# Altium PCB SAM_E54_Xplained_Pro.PcbDoc (part 1 of 5) (continued)
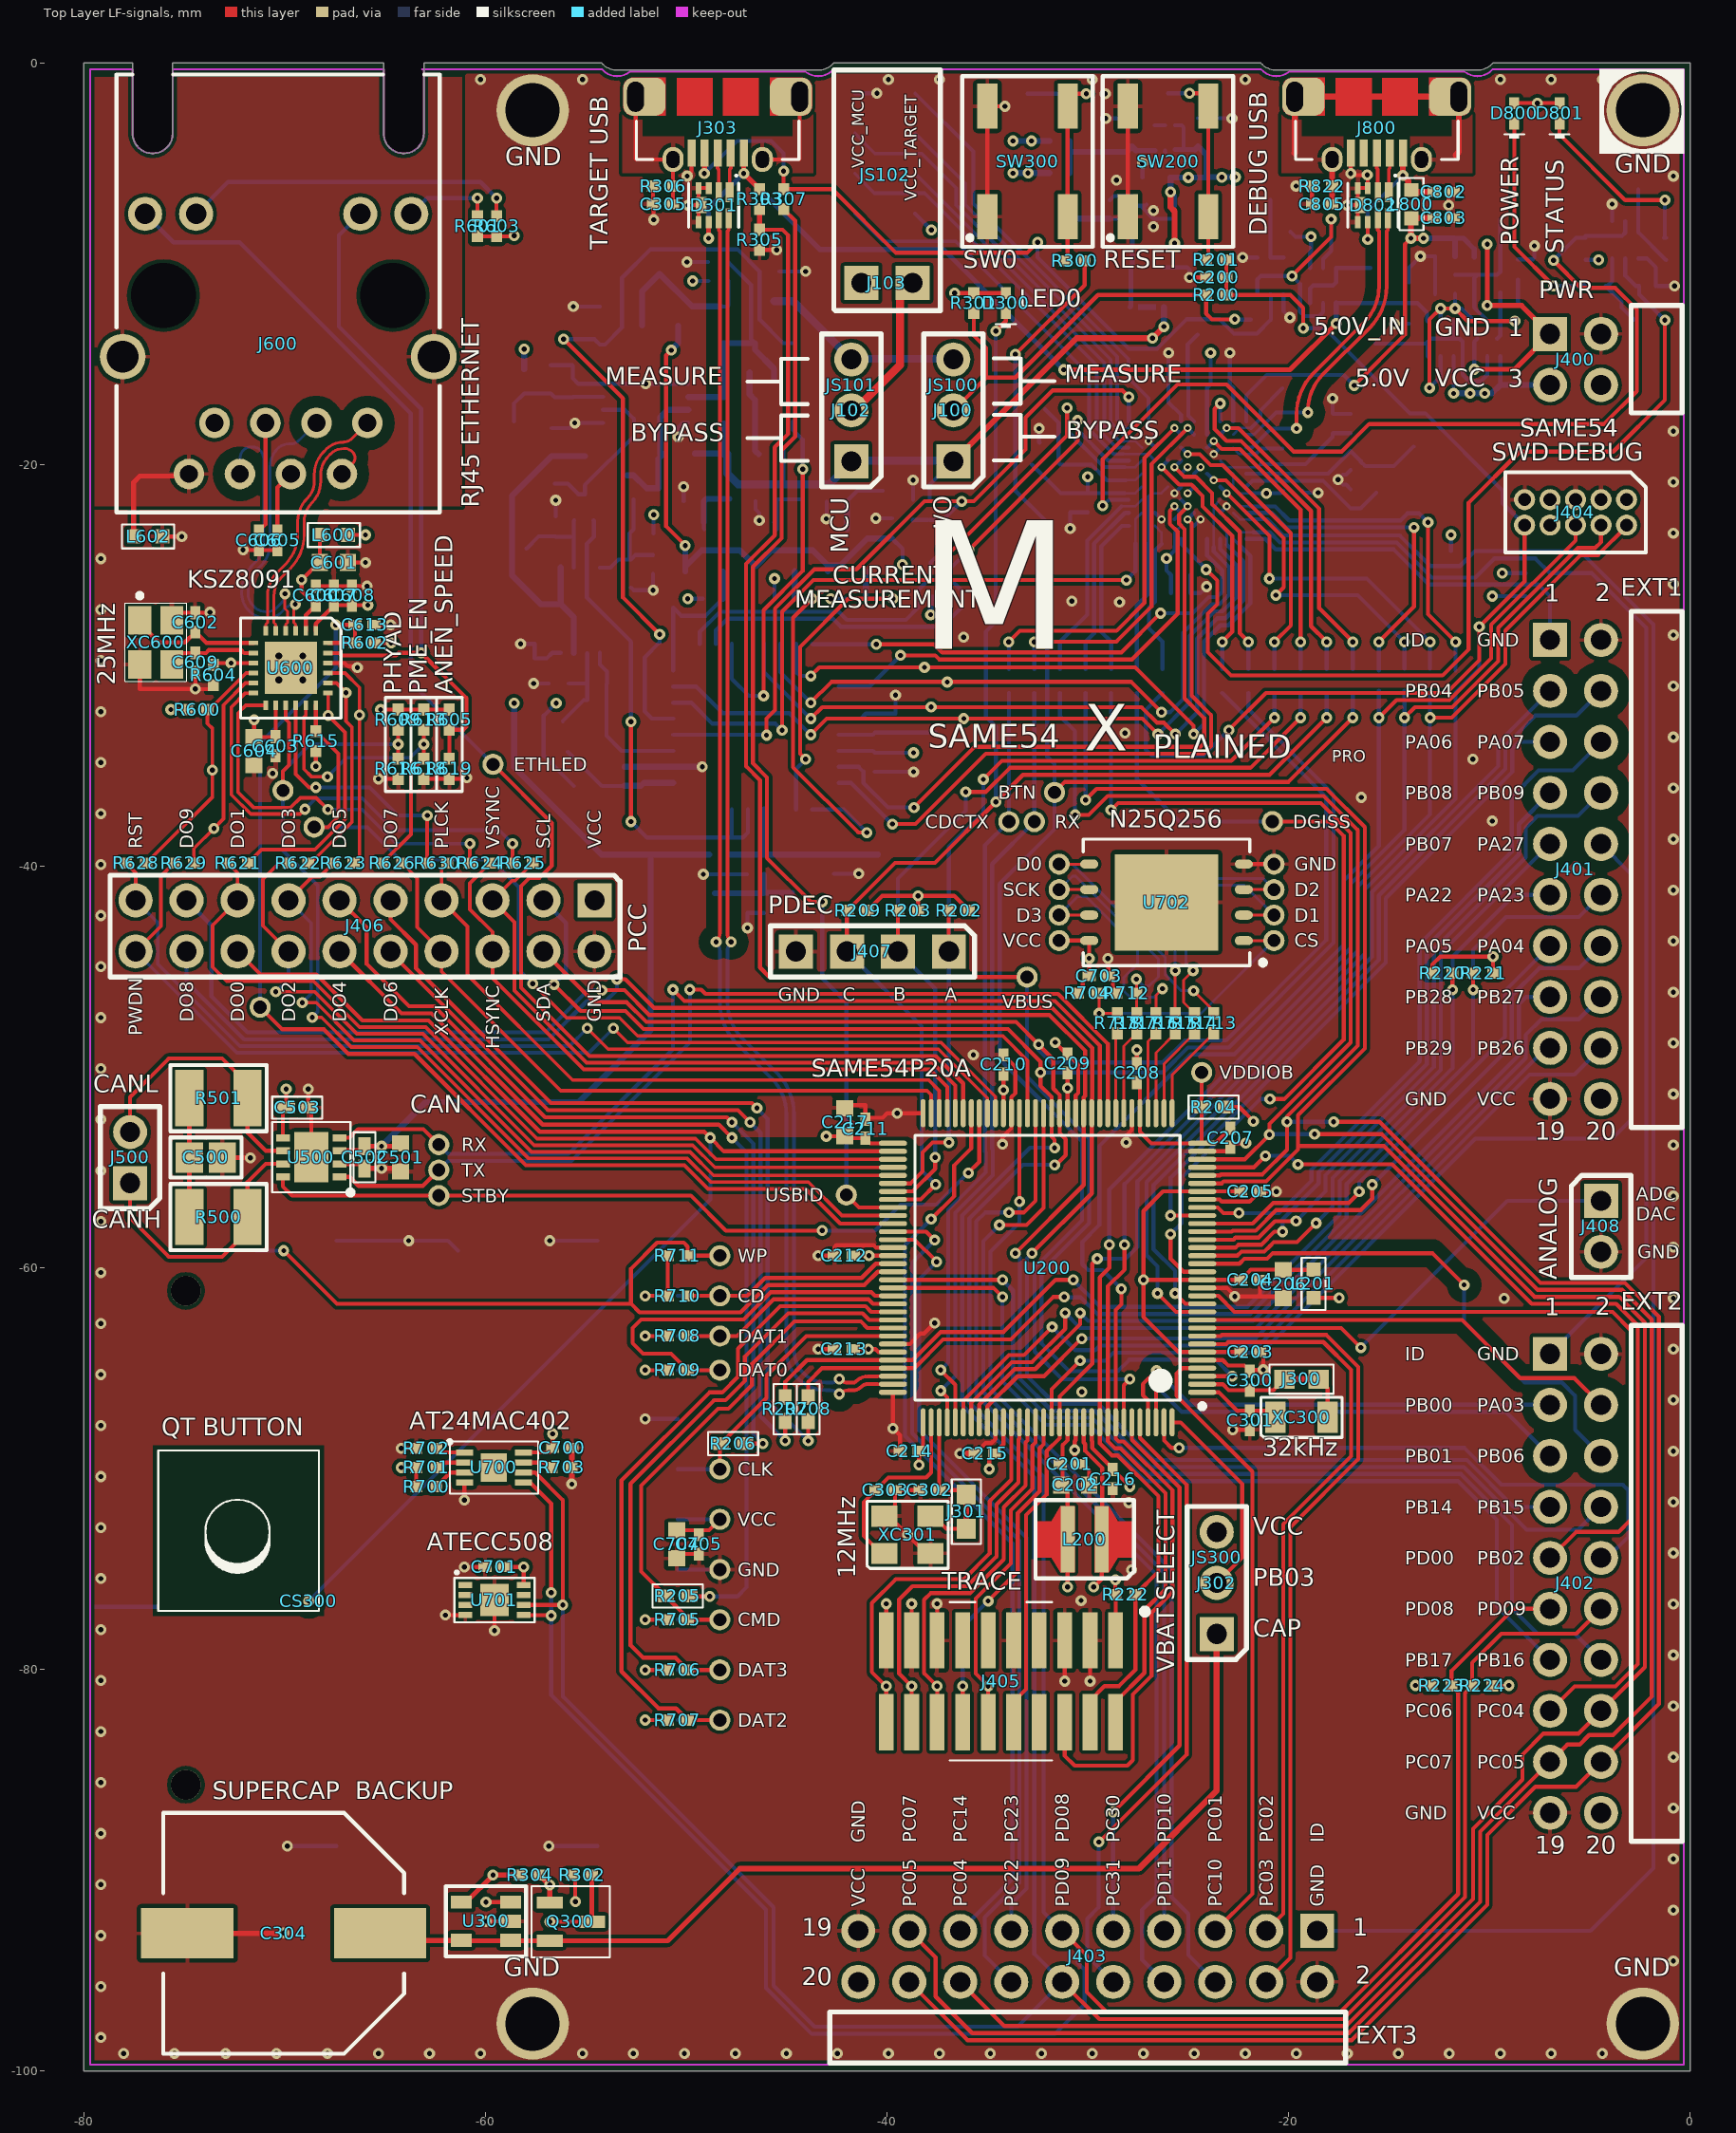
[diagram p0: Top Layer LF-signals view]
## Components (designator, comment, footprint, x,y, rotation, side; value= is the part's Value field where it differs from the comment)
C100 "" AP1-00117 -27.8,-3.45 r90 bottom value=4.7uF
C101 "" AP1-00117 -24.5,-3.45 r90 bottom value=4.7uF
C102 "" AP1-00117 -26.575,-5.7 r180 bottom value=4.7uF
C103 "" AP1-00117 -24.075,-6.375 r270 bottom value=22u/10V
C104 "" AP1-00053 -28.9,-7.3 r270 bottom value=10n
C105 "" AP1-00117 -27.025,-10.175 r0 bottom value=22u/10V
C200 "" AP1-00053 -23.6,-10.675 r180 top locked value=4.7n
C201 "" AP1-00053 -30.9,-69.775 r0 top value=100n
C202 "" AP1-00117 -30.625,-70.825 r0 top value=4.7uF
C203 "" AP1-00053 -21.9,-64.2 r0 top value=100n
C204 "" AP1-00053 -21.9,-60.6 r0 top value=100n
C205 "" AP1-00053 -21.9,-56.2 r0 top value=100n
C206 "" AP1-00117 -20.25,-60.805 r270 top value=10uF/10V
C207 "" AP1-00053 -22.9,-53.525 r270 top value=100n
C208 "" AP1-00053 -27.55,-50.3 r90 top value=100n
C209 "" AP1-00053 -31,-49.825 r90 top value=100n
C210 "" AP1-00053 -34.2,-49.875 r90 top value=100n
C211 "" AP1-00053 -41.075,-53.075 r90 top value=100n
C212 "" AP1-00053 -42.15,-59.4 r180 top value=100n
C213 "" AP1-00053 -42.15,-64.05 r180 top value=100n
C214 "" AP1-00053 -38.875,-69.125 r180 top value=100n
C215 "" AP1-00053 -35.125,-69.25 r180 top value=100n
C216 "" AP1-00053 -28.75,-70.525 r270 top value=100n
C217 "" AP1-00117 -42.1,-52.75 r90 top value=10uF/10V
C300 "" AP1-00053 -21.927,-65.625 r90 top value=6.8p
C301 "" AP1-00053 -21.925,-67.6 r270 top value=6.8p
C302 "" AP1-00053 -37.875,-71.075 r180 top value=5pF
C303 "" AP1-00053 -40.075,-71.075 r0 top value=5pF
C304 "" AP1-00122 -70.05,-93.15 r180 top locked value=47mF
C305 "" AP1-00053 -51.153,-7.025 r0 top value=4.7n
C500 "" AP1-00003 -73.925,-54.512 r0 top value=4.7uF
C501 "" AP1-00117 -64.231,-54.505 r270 top value=4.7uF
C502 "" AP1-00001 -66.025,-54.5 r270 top value=100n
C503 "" AP1-00001 -69.375,-52.025 r0 top value=100n
C600 "" AP1-00053 -68.45,-26.525 r90 top value=100n
C601 "" AP1-00117 -67.55,-24.875 r0 top value=22u/10V
C602 "" AP1-00053 -74.45,-27.855 r270 top value=12p
C603 "" AP1-00053 -70.45,-34.021 r270 top value=100n
C604 "" AP1-00117 -71.525,-34.275 r270 top value=22u/10V
C605 "" AP1-00053 -70.363,-23.775 r270 top value=100n
C606 "" AP1-00053 -71.288,-23.775 r270 top value=100n
C607 "" AP1-00053 -67.55,-26.525 r90 top value=100n
C608 "Farnell no: 1288200" AP1-00053 -66.65,-26.525 r90 top value=2.2uF
C609 "" AP1-00053 -74.45,-29.855 r90 top value=12p
C613 "" AP1-00053 -66.025,-27.975 r0 top value=100n
C700 "" AP1-00053 -56.175,-68.975 r0 top value=100n
C701 "" AP1-00053 -59.55,-74.9 r180 top value=100n
C703 "" AP1-00053 -29.45,-45.475 r0 top value=100n
C704 "" AP1-00117 -50.475,-73.776 r270 top value=10uF/10V
C705 "" AP1-00053 -49.365,-73.776 r270 top value=100n
C800 "" AP1-00053 -16.9,-21.7 r90 bottom locked value=15p
C801 "" AP1-00053 -16.9,-19.8 r270 bottom locked value=15p
C802 "" AP1-00053 -12.275,-6.425 r0 top value="1 nF C0G"
C803 "" AP1-00053 -12.275,-7.725 r0 top value="1 nF C0G"
C804 "" AP1-00053 -16.9,-17.95 r90 bottom locked value=10p
C805 "" AP1-00053 -18.325,-7.025 r0 top value=4.7n
C806 "" AP1-00053 -31.925,-18.9 r180 bottom locked value=100n
C807 "Farnell no: 1288200" AP1-00053 -25.5,-15.1 r180 bottom locked value=2.2uF
C808 "" AP1-00053 -25.5,-16 r180 bottom locked value="1 nF C0G"
C809 "Farnell no: 1288200" AP1-00053 -23.4,-15.1 r0 bottom locked value=2.2uF
C810 "" AP1-00053 -23.4,-16 r0 bottom locked value=100n
C811 "" AP1-00053 -19.8,-21.3 r0 bottom locked value=100n
C812 "" AP1-00053 -25.375,-25.5 r0 bottom locked value=100n
C813 "" AP1-00053 -30,-21.9 r270 bottom locked value=100n
C814 "Farnell no: 1288200" AP1-00053 -30.875,-21.9 r270 bottom locked value=2.2uF
C815 "Farnell no: 1288200" AP1-00053 -25.375,-26.4 r0 bottom locked value=2.2uF
C1100 "" AP1-00053 -40.6,-34.825 r270 bottom value=100n
C1101 "" AP1-00053 -40.6,-32.875 r90 bottom value=100n
C1102 "" AP1-00053 -39.575,-32.875 r90 bottom value=1u
C1103 "" AP1-00053 -39.575,-34.825 r270 bottom value=1u
C1104 "" AP1-00053 -52.25,-35.525 r90 bottom value=100n
C1105 "" AP1-00053 -53.075,-35.525 r90 bottom value=33n
C1106 "" AP1-00053 -46.975,-41.825 r270 bottom value="1 nF C0G"
C1107 "" AP1-00053 -46.975,-39.925 r270 bottom value=100n
C1200 "" AP1-00053 -51.65,-24.975 r270 bottom value=100n
C1201 "" AP1-00117 -52.75,-25.425 r270 bottom value=4.7uF
C1202 "" AP1-00053 -54.45,-31.725 r0 bottom value=150p
C1203 "" AP1-00117 -56.75,-15.875 r90 bottom value=4.7uF
C1204 "" AP1-00053 -55.65,-16.175 r90 bottom value=100n
C1206 "" AP1-00053 -55.1,-22.775 r0 bottom value=150p
CS300 "" ? -71.802,-72.72 r270 top locked
D300 "" AP4-00160 -34.075,-11.95 r90 top value=SML-P11YT
D301 "" AP4-00159 -48.634,-7.075 r180 top locked value=EMI2121MTTAG
D800 "" AP4-00160 -8.75,-2.5 r90 top locked value=SML-P11MT
D801 "" AP4-00160 -6.5,-2.5 r90 top locked value=SML-P11YT
D802 "" AP4-00159 -15.8,-7.075 r180 top locked value=EMI2121MTTAG
E1 "" AP8-00192 -9,-4.5 r180 bottom locked value=SJ-5076
E2 "" AP8-00192 -70.35,-4.5 r180 bottom locked value=SJ-5076
E3 "" AP8-00192 -9,-95.5 r180 bottom locked value=SJ-5076
E4 "" AP8-00192 -75,-95.5 r180 bottom locked value=SJ-5076
J100 "" AP8-00745 -36.696,-17.3 r90 top locked value=HMTSW-103-23-F-S-237
J101 "" AP9-00044 -27.05,-12.15 r180 bottom locked net-tie value=SMD-STRAP_0603_CLOSED
J102 "" AP8-00745 -41.776,-17.3 r90 top locked value=HMTSW-103-23-F-S-237
J103 "" AP8-00367 -40,-10.95 r0 top locked value="Pin header 1x2 right angle"
J300 "" AP9-00044 -19.35,-65.55 r180 top net-tie value=SMD-STRAP_0603_CLOSED
J301 "" AP9-00044 -36.05,-72.15 r90 top net-tie value=SMD-STRAP_0603_CLOSED
J302 "" AP8-00745 -23.575,-75.7 r90 top locked value=HMTSW-103-23-F-S-237
J303 "" AP8-00852 -48.434,-1.675 r180 top locked value=ZX62D-AB-5P8
J400 "" AP8-00628 -5.7,-14.76 r270 top locked value=P101-2*02RGF-139-ND
J401 "" AP8-00622 -5.7,-40.16 r270 top locked value=P101-2*10RGF-139-ND
J402 "" AP8-00622 -5.7,-75.72 r270 top locked value=P101-2*10RGF-139-ND
J403 "" AP8-00622 -30,-94.3 r180 top locked value=P101-2*10RGF-139-ND
J404 "" AP8-00257 -5.7,-22.375 r180 top locked value="PIN HEADER 2x5"
J405 "" AP8-00910 -34.325,-80.6 r270 top locked value=FTSH-110-01-F-DV-007-K
J406 "" AP8-00744 -66,-42.975 r180 top locked value=HMTSW-110-23-F-D-237
J407 "" AP8-00176 -40.725,-44.245 r180 top locked value=HMTSW-104-23-F-S-237
J408 "" AP8-00733 -4.43,-57.94 r270 top locked value=HMTSW-102-23-F-S-237
J500 "" AP8-00733 -77.7,-54.512 r90 top locked value=HMTSW-102-23-F-S-237
J600 "" AP8-01033 -70.325,-11.575 r180 top locked value=HFJ11-2450E-L12RL
J700 "" AP8-00377 -60.925,-73.725 r270 bottom locked value="KYOCERA - 14 5738 009 220 859+"
J800 "" AP8-00852 -15.6,-1.675 r180 top locked value=ZX62D-AB-5P8
JS100 "" AP8-00525 -36.696,-16.03 r90 top value=SNT-100-BK-G
JS101 "" AP8-00525 -41.776,-16.03 r90 top value=SNT-100-BK-G
JS102 "" AP8-00525 -40.1,-5.575 r0 top locked value=SNT-100-BK-G
JS300 "" AP8-00525 -23.575,-74.43 r90 top value=SNT-100-BK-G
L200 "" AP3-00115 -30.15,-73.525 r180 top value=LQH3NPN100MJ0
L201 "" AP3-00005 -18.75,-60.8 r90 top value=BLM18PG471SN1
L600 "" AP3-00005 -67.55,-23.5 r180 top value=BLM18PG471SN1
L602 "" AP3-00005 -76.801,-23.575 r180 top value=BLM18PG471SN1
L800 "" AP3-00005 -13.875,-7.025 r270 top value=BLM18PG471SN1
L801 "" AP3-00005 -32.075,-20 r0 bottom locked value=BLM18PG471SN1
L1100 "" AP3-00005 -54.9,-36 r0 bottom value=BLM18PG471SN1
L1200 "" AP3-00028 -52.225,-23.425 r180 bottom value=BLM15BB221SN1
L1201 "" AP3-00028 -58.075,-15.85 r270 bottom value=BLM15BB221SN1
LABEL1 "*" AP8-00317 -11.883,-88.93 r180 bottom value="Label PCBA"
Q100 "" AP5-00047 -10.096,-13.725 r0 bottom value=DMP2160UFDB
Q101 "" AP5-00047 -10.096,-10.55 r0 bottom value=DMP2160UFDB
Q102 "" AP5-00047 -12.425,-13.725 r0 bottom value=DMP2160UFDB
Q103 "" AP5-00047 -18.275,-11.075 r180 bottom value=DMP2160UFDB
Q104 "" AP5-00001 -20.894,-10.604 r270 bottom locked value=2N7002DW
Q300 "" AP5-00002 -55.75,-92.575 r0 top locked value=IRLML6402
Q800 "" AP5-00001 -3.225,-8.8 r270 bottom locked value=2N7002DW
Q900 "" AP5-00002 -45.625,-12.9 r90 bottom value=PMV48XP
Q901 "" AP5-00002 -53.25,-13.075 r0 bottom value=BSS138N
Q902 "" AP5-00002 -49.35,-13.075 r180 bottom value=BSH201
Q1000 "" AP5-00002 -42,-24.25 r90 bottom value=BSH201
Q1001 "" AP5-00002 -45.55,-24.25 r90 bottom value=BSH201
Q1002 "" AP5-00002 -49.1,-24.25 r90 bottom value=BSH201
Q1200 "" AP5-00002 -45.625,-16.8 r90 bottom value=IRLML6402
Q1201 "" AP5-00002 -54,-20.525 r0 bottom value=BSS138N
R100 "" AP2-00011 -8.575,-10.275 r270 bottom value=100k
R101 "" AP2-00011 -31.4,-3.879 r0 bottom value=0R
R102 "" AP2-00011 -12.2,-11.5 r0 bottom value=100k
R103 "" AP2-00011 -31.4,-5.475 r0 bottom value=0R
R104 "" AP2-00011 -12.2,-10.55 r180 bottom value=100k
R105 "" AP2-00011 -14,-13.475 r270 bottom value=100k
R106 "" AP2-00011 -12.2,-9.625 r0 bottom value=100k
R107 "" AP2-00011 -14,-11.425 r270 bottom value=100k
R108 "" AP2-00011 -18.375,-9.35 r180 bottom value=100k
R109 "" AP2-00011 -20.4,-8.401 r0 bottom value=100k
R110 "" AP2-00011 -21.375,-12.775 r180 bottom value=47k
R111 "" AP2-00011 -37.875,-22.25 r90 bottom value=47k
R112 "" AP2-00011 -38.7,-22.25 r270 bottom value=47k
R200 "" AP2-00011 -23.6,-11.55 r180 top value=100k
R201 "" AP2-00011 -23.6,-9.8 r0 top locked value=39R
R202 "" AP2-00011 -36.425,-42.2 r0 top value=10k
R203 "" AP2-00011 -38.95,-42.2 r180 top value=10k
R204 "" AP2-00000 -23.725,-52 r180 top value=0R
R205 "" AP2-00000 -50.425,-76.35 r0 top value=0R
R206 "" AP2-00000 -47.667,-68.756 r0 top value=0R
R207 "" AP2-00000 -45.075,-67.04 r270 top value=0R
R208 "" AP2-00000 -43.925,-67.04 r270 top value=0R
R209 "" AP2-00011 -41.465,-42.2 r180 top value=10k
R220 "" AP2-00011 -12.331,-45.325 r180 top value=2k
R221 "" AP2-00011 -10.306,-45.325 r0 top value=2k
R222 "" AP2-00011 -28.125,-76.276 r180 top value=1k
R223 "" AP2-00011 -12.375,-80.825 r180 top value=3.9k
R224 "" AP2-00011 -10.35,-80.825 r0 top value=3.9k
R300 "" AP2-00011 -30.65,-9.85 r0 top value=39R
R301 "" AP2-00011 -35.675,-11.95 r270 top value=1k
R302 "" AP2-00011 -55.2,-90.25 r0 top value=220R
R303 "" AP2-00011 -46.35,-6.775 r90 top value=30k
R304 "" AP2-00011 -57.8,-90.25 r0 top value=1k
R305 "" AP2-00011 -46.35,-8.8 r90 top value=47k
R306 "" AP2-00011 -51.153,-6.125 r0 top value=1M
R307 "" AP2-00011 -45.15,-6.775 r270 top value=330R
R308 "" AP2-00011 -48.8,-54.875 r90 bottom locked value=10k
R500 "" AP2-00008 -73.3,-57.475 r0 top value=62R
R501 "" AP2-00008 -73.3,-51.55 r180 top value=62R
R600 "" AP2-00011 -74.35,-32.2 r180 top value=1k
R601 "" AP2-00011 -60.4,-8.125 r270 top value=220R
R602 "" AP2-00011 -66.025,-28.875 r0 top value=100k
R603 "" AP2-00011 -59.45,-8.125 r270 top value=220R
R604 "" AP2-00011 -73.557,-30.48 r90 top value=6.49K
R605 "" AP2-00011 -61.8,-32.7 r90 top value=4.7k
R609 "" AP2-00011 -64.35,-32.7 r90 top value=4.7k
R613 "" AP2-00011 -63.075,-32.7 r90 top value=4.7k
R615 "" AP2-00011 -68.45,-33.771 r270 top value=1k
R616 "" AP2-00011 -64.35,-35.15 r90 top value=1k
R618 "" AP2-00011 -63.075,-35.15 r90 top value=1k
R619 "" AP2-00011 -61.8,-35.15 r90 top value=1k
R621 "" AP2-00011 -72.325,-39.85 r180 top value=0R
R622 "" AP2-00011 -69.325,-39.85 r180 top value=0R
R623 "" AP2-00011 -67.075,-39.85 r180 top value=0R
R624 "" AP2-00011 -60.275,-39.85 r0 top value=0R
R625 "" AP2-00011 -58.15,-39.85 r0 top value=0R
R626 "" AP2-00011 -64.65,-39.85 r0 top value=0R
R628 "" AP2-00011 -77.4,-39.85 r180 top value=0R
R629 "" AP2-00011 -75.025,-39.85 r180 top value=0R
R630 "" AP2-00011 -62.4,-39.85 r0 top value=0R
R700 "" AP2-00011 -62.95,-70.9 r180 top value=10k
R701 "" AP2-00011 -62.95,-69.95 r180 top value=10k
R702 "" AP2-00011 -62.95,-69 r180 top value=10k
R703 "" AP2-00011 -56.201,-69.95 r180 top value=10k
R704 "" AP2-00011 -30,-46.326 r180 top value=100k
R705 "" AP2-00011 -50.425,-77.53 r180 top value=10k
R706 "" AP2-00011 -50.425,-80.03 r180 top value=100k
R707 "" AP2-00011 -50.425,-82.53 r180 top value=100k
R708 "" AP2-00011 -50.425,-63.4 r180 top value=100k
R709 "" AP2-00011 -50.425,-65.1 r180 top value=100k
R710 "" AP2-00011 -50.425,-61.4 r180 top value=10k
R711 "" AP2-00011 -50.425,-59.4 r180 top value=10k
R712 "" AP2-00011 -28.075,-46.326 r0 top value=100k
R713 "" AP2-00011 -23.72,-47.825 r270 top value=33R
R714 "" AP2-00011 -24.68,-47.825 r270 top value=33R
R715 "" AP2-00011 -25.64,-47.825 r270 top value=33R
R716 "" AP2-00011 -26.6,-47.825 r270 top value=33R
R717 "" AP2-00011 -27.56,-47.825 r270 top value=33R
R718 "" AP2-00011 -28.52,-47.825 r270 top value=33R
R800 "" AP2-00000 -7.575,-26.55 r180 bottom value=1k
R801 "" AP2-00000 -7.575,-25.4 r180 bottom value=1k
R802 "" AP2-00000 -11.674,-30.75 r270 bottom value=39R
R803 "" AP2-00000 -14.225,-30.75 r90 bottom value=0R
R804 "" AP2-00011 -5.2,-9.2 r270 bottom locked value=1M
R805 "" AP2-00011 -4.7,-11.1 r180 bottom locked value=1k
R806 "" AP2-00011 -1.2,-9.2 r90 bottom locked value=1k
R807 "" AP2-00011 -2.2,-11.1 r180 bottom locked value=1M
R808 "" AP2-00000 -33.93,-30.775 r270 bottom value=0R
R809 "" AP2-00000 -32.655,-30.775 r90 bottom value=330R
R810 "" AP2-00000 -20.7,-30.775 r90 bottom value=330R
R811 "" AP2-00000 -19.4,-30.775 r90 bottom value=330R
R812 "" AP2-00000 -26.28,-30.775 r90 bottom value=0R
R813 "" AP2-00000 -23.3,-30.775 r270 bottom value=0R
R814 "" AP2-00000 -22,-30.775 r270 bottom value=0R
R815 "" AP2-00000 -28.83,-30.775 r270 bottom value=330R
R816 "" AP2-00000 -30.105,-30.775 r90 bottom value=0R
R817 "" AP2-00000 -31.38,-30.775 r90 bottom value=0R
R818 "" AP2-00000 -27.555,-30.775 r90 bottom value=0R
R819 "" AP2-00011 -20.3,-16.7 r90 bottom locked value=39R
R820 "" AP2-00011 -20.3,-18.7 r270 bottom locked value=39R
R821 "" AP2-00011 -17.8,-17.95 r270 bottom locked value=6.81k
R822 "" AP2-00011 -18.325,-6.125 r0 top value=1M
R823 "" AP2-00000 -11.303,-24.3 r180 bottom value=1k
R824 "" AP2-00000 -12.95,-30.75 r90 bottom value=0R
R825 "" AP2-00000 -18.1,-30.775 r90 bottom value=330R
R826 "" AP2-00000 -16.8,-30.775 r90 bottom value=330R
R827 "" AP2-00000 -15.5,-30.75 r90 bottom value=0R
R900 "" AP2-00011 -48.412,-9.908 r0 bottom value=4.7M
R901 "" AP2-00011 -45.85,-10.375 r180 bottom value=100k
R902 "" AP2-00011 -48.4,-10.85 r180 bottom value=100k
R1000 "" AP2-00011 -48.675,-26.675 r180 bottom value=100k
R1001 "" AP2-00011 -45.1,-26.675 r180 bottom value=100k
R1002 "" AP2-00011 -41.55,-26.675 r180 bottom value=100k
R1003 "" AP2-00011 -42.5,-21.825 r0 bottom value=39R
R1004 "" AP2-00011 -46.05,-21.825 r0 bottom value=2.2k
R1005 "" AP2-00011 -49.625,-21.825 r0 bottom value=47k
R1006 "" AP2-00011 -39.75,-23.175 r270 bottom value=4.7M
R1102 "" AP2-00011 -37.825,-26.128 r270 bottom value=4.7k
R1103 "" AP2-00011 -36.925,-26.128 r270 bottom value=4.7k
R1104 "" AP2-00011 -48.35,-39.425 r180 bottom value=2k
R1105 "" AP2-00011 -46.125,-39.925 r90 bottom value=33k
R1106 "" AP2-00011 -46.125,-41.825 r90 bottom value=39k
R1200 "" AP2-00076 -47.25,-19.475 r0 bottom value=0.1R
R1201 "" AP2-00011 -44.7,-19.3 r0 bottom value=100k
R1202 "" AP2-00076 -48.125,-17.325 r90 bottom value=100R
R1203 "" AP2-00011 -54.45,-30.9 r0 bottom value=10k
R1204 "" AP2-00076 -50.45,-19.475 r0 bottom value=100R
R1205 "" AP2-00011 -56.35,-30.9 r0 bottom value=680R
R1207 "" AP2-00011 -56.7,-18.875 r270 bottom value=2k
R1208 "" AP2-00011 -55.1,-23.6 r0 bottom value=10k
R1209 "" AP2-00011 -56.5,-23.075 r270 bottom value=10k
SW200 "" AP8-00137 -26,-4.9 r90 top locked value=SKRAAKE010
SW300 "" AP8-00137 -33,-4.9 r90 top locked value=SKRAAKE010
TP200 "" AP8-00010 -26,-1.5 r270 bottom locked value=TESTPAD
TP300 "" AP8-00010 -33,-1.5 r90 bottom locked value=TESTPAD
TP800 "" AP8-00010 -41.6,-1.5 r270 bottom locked value=TESTPAD
TP801 "" AP8-00010 -38.6,-1.5 r270 bottom locked value=TESTPAD
TP802 "" AP8-00010 -41.6,-3.5 r270 bottom locked value=TESTPAD
TP803 "" AP8-00010 -41.6,-5.5 r270 bottom locked value=TESTPAD
TP804 "" AP8-00010 -38.6,-5.5 r270 bottom locked value=TESTPAD
TP805 "" AP8-00010 -41.6,-7.5 r270 bottom locked value=TESTPAD
TP806 "" AP8-00010 -38.6,-3.5 r270 bottom locked value=TESTPAD
TP807 "" AP8-00010 -38.6,-7.5 r270 bottom locked value=TESTPAD
U100 "" AP6-00262 -26.15,-3.725 r90 bottom value=TLV70033DSE
U101 "" AP6-00162 -26.725,-7.75 r0 bottom locked value=TPS73533DRV
U200 "" AP6-00477 -32,-60 r180 top locked value=ATSAME54P20A
U300 "" AP6-00087 -59.975,-92.55 r180 top locked value=BU7265SG-TR
U500 "" AP6-00407 -68.675,-54.5 r180 top value=ATA6561-GBQW
U600 "" AP6-00348 -69.7,-30.13 r270 top locked value=KSZ8091RNACA
U700 "" AP6-00186 -59.575,-69.95 r0 top value=AT24MAC402-MAHM-T
U701 "" AP6-00409 -59.55,-76.55 r0 top value="ATECC508A I2C UDFN"
U702 "" AP6-00478 -26.075,-41.8 r180 top locked value=N25Q256A13EF840
U800 "" AP6-00206 -25.025,-20.775 r90 bottom locked value=AT32UC3A4256J-C1UR
U1100 "" AP6-00061 -46.524,-33.051 r90 bottom locked value=SAMD20E17A-AUT
U1101 "" AP5-00002 -43.685,-40.375 r0 bottom value=LM4041CEM3-ADJ/NOPB
U1200 "" AP6-00100 -55.275,-27.25 r90 bottom value=AD8656
U1201 "" AP6-00100 -52.025,-16.95 r180 bottom value=ADA4528-1
XC300 "" AP7-00090 -19.35,-67.45 r0 top value=32.768kHz
XC301 "" AP7-00089 -38.975,-73.3 r0 top value=12.00MHz
XC600 "" AP7-00061 -76.425,-28.855 r270 top locked value=25.00MHz
XC800 "" AP7-00089 -14.7,-20.25 r90 bottom locked value=12.00MHz

## Footprints (in the part's own frame and the unit in brackets; to place one, negate y for a bottom-side part, rotate by r counter-clockwise, add the part's x,y. Pads: shape width x height; smd on the part's side, far side on the other; paste and mask are expansions set on the pad)
AP1-00001 [mm] "Standard 0402 SMD capacitor footprint"
  rect 0.9x0.6 smd: 1(-0.55,0) 2(0.55,0)
  silkscreen extent -1.25,-0.55 1.25,0.55, body extent -0.5,-0.3 0.5,0.3, height 0.2
AP1-00003 [mm]
  rect 1.35x1.5 smd: 1(-0.825,0) 2(0.825,0)
  silkscreen extent -1.78,-1 1.78,1, body extent -1,-0.63 1,0.63, height 0.78
AP1-00053 [mm] "Chip Capacitor, 2-Leads, Body 1.0x0.5mm, IPC High Density"
  rect 0.65x0.5 smd: 1(-0.475,0) 2(0.475,0)
  body extent -0.5,-0.3 0.5,0.3, height 0.2
AP1-00117 [mm] "Chip Capacitor, 2-Leads, Body 1,60x0,80mm, IPC High Density"
  rect 0.8x0.85 smd: 1(-0.7,0) 2(0.7,0)
  body extent -0.8,-0.4 0.8,0.4, height 0.3
AP1-00122 [mm]
  rect 4.6x2.5 smd: 1(-4.8,0) 2(4.8,0)
  silkscreen extent -6,-6 6,6, body extent -5.4,-5.4 5.4,5.4, height 6.9
AP2-00000 [mm] "Standard 0402 SMD resistor footprint"
  rect 0.8x0.65 smd: 1(-0.6,0) 2(0.6,0)
  silkscreen extent -1.25,-0.58 1.25,0.58, body extent -0.5,-0.3 0.5,0.3, height 0.2
AP2-00008 [mm]
  rect 1.4x2.8 smd: 1(-1.45,0) 2(1.45,0)
  silkscreen extent -2.4,-1.65 2.4,1.65, body extent -1.6,-1.25 1.6,1.25, height 0.55
AP2-00011 [mm] "Chip Resistor, 2-Leads, Body 1,0x0,5mm, IPC High Density"
  rect 0.6x0.55 smd: 1(-0.5,0) 2(0.5,0)
  body extent -0.5,-0.3 0.5,0.3, height 0.2
AP2-00076 [mm] "Chip Resistor, 2-Leads, Body 1,60x0,80mm, IPC High Density"
  rect 0.8x0.85 smd: 1(-0.7,0) 2(0.7,0)
  body extent -0.8,-0.4 0.8,0.4, height 0.3
AP3-00005 [mm]
  rect 0.7x0.7 smd: 1(-0.7,0) 2(0.7,0)
  silkscreen extent -1.3,-0.6 1.3,0.6, body extent -0.83,-0.41 0.82,0.41, height 0.8
AP3-00028 [mm] "0402 SMD EMI inductor footprint, Murata"
  rect 0.8x0.65 smd: 1(-0.6,0) 2(0.6,0)
  silkscreen extent -1.25,-0.58 1.25,0.58, body extent -0.58,-0.3 0.58,0.3, height 0.41
AP3-00115 [mm] "SMD Chip Inductor LQH3NPN_J0 Series (1212 Size)"
  rect 0.7x3.3 smd: 1(-0.85,0) 2(0.85,0)
  Top Layer LF-signals region: 1.625,-0.9 2.35,-0.9 2.35,0.9 1.625,0.9
  Top Layer LF-signals region: -1.625,0.9 -2.35,0.9 -2.35,-0.9 -1.625,-0.9
  Top Layer LF-signals region: 0.5,-1.65 1.2,-1.65 1.65,-0.9 1.65,0.9 1.2,1.65 0.5,1.65
  Top Layer LF-signals region: -0.5,1.65 -1.2,1.65 -1.65,0.9 -1.65,-0.9 -1.2,-1.65 -0.5,-1.65
  silkscreen extent -2.45,-1.95 2.45,1.95, body extent -1.5,-1.5 1.5,1.5, height 1.1
AP4-00159 [mm] "WDFN8, 2.2x2, 0.5P  CASE 511BN  ISSUE A"
  rect 0.4x1 smd: 1(-0.8,-0.65)
  rect 0.3x1 smd: 2(-0.25,-0.65) 7(-0.25,0.65) 8(-0.75,0.65)
  rect 0.3x0.6 smd: 3(0.25,-0.85) 4(0.75,-0.85) 5(0.75,0.85) 6(0.25,0.85)
  rect 0.54x0.8 smd mask+0.1: 9(0.63,0)
  silkscreen extent -1.25,-1.52 1.25,1.1, body extent -1.1,-1 1.1,1, height 0.8
AP4-00160 [mm] "ROHM SML-P11 0402 LED"
  rect 0.6x0.5 smd: 1(-0.5,0) 2(0.5,0)
  silkscreen extent -1.25,-0.5 -1.05,0.5, body extent -0.5,-0.3 0.5,0.3, height 0.19
AP5-00001 [mm]
  rect 0.85x0.35 smd: 1(-0.925,0.65) 2(-0.925,0) 3(-0.925,-0.65) 4(0.925,-0.65) 5(0.925,0) 6(0.925,0.65)
  silkscreen extent -1.6,-1.35 1.6,1.35, body extent -1.05,-1 1.05,1, height 0.95
AP5-00002 [mm] "SOT-23 Package"
  rect 1.3x0.6 smd: 1(-1.05,0.95) 2(-1.05,-0.95) 3(1.05,0)
  silkscreen extent -1.95,-1.78 1.95,1.78, body extent -1.25,-1.46 1.23,1.46, height 1
AP5-00047 [mm] "NXP SOT1118 (DFN2020-6) Footprint"
  rect 0.35x0.3 smd mask+0.05: 1(-0.65,-0.875) 2(0,-0.875) 3(0.65,-0.875) 4(0.65,0.875) 5(0,0.875) 6(-0.65,0.875)
  rect 0.72x1.05 smd mask+0.05: 7(-0.49,0) 8(0.49,0)
  silkscreen extent -1,-1.55 1,1.17, body extent -0.99,-1.01 1.01,1.01, height 0.65
AP6-00061 [mm] "TQFP, 32-Leads, Body 9.3x9.3mm (max), Pitch 0.80mm, IPC Medium Density"
  oval 1.75x0.55 smd: 1(-4.125,2.8) 2(-4.125,2) 3(-4.125,1.2) 4(-4.125,0.4) 5(-4.125,-0.4) 6(-4.125,-1.2) 7(-4.125,-2) 8(-4.125,-2.8) 17(4.125,-2.8) 18(4.125,-2) 19(4.125,-1.2) 20(4.125,-0.4) 21(4.125,0.4) 22(4.125,1.2) 23(4.125,2) 24(4.125,2.8)
  oval 0.55x1.75 smd: 9(-2.8,-4.125) 10(-2,-4.125) 11(-1.2,-4.125) 12(-0.4,-4.125) 13(0.4,-4.125) 14(1.2,-4.125) 15(2,-4.125) 16(2.8,-4.125) 25(2.8,4.125) 26(2,4.125) 27(1.2,4.125) 28(0.4,4.125) 29(-0.4,4.125) 30(-1.2,4.125) 31(-2,4.125) 32(-2.8,4.125)
  silkscreen extent -4.25,3.5 -4,3.75, body extent -4.5,-4.5 4.5,4.5, height 1.44
AP6-00087 [mm]
  rect 1.05x0.65 smd: 1(-1.225,0.953) 2(-1.225,0) 3(-1.225,-0.953) 4(1.225,-0.953) 5(1.225,0.953)
  silkscreen extent -2,-1.75 2,1.75, body extent -1.5,-1.5 1.5,1.5, height 1.3
AP6-00100 [mm]
  rect 1.6x0.45 smd: 1(-2.125,0.975) 2(-2.125,0.325) 3(-2.125,-0.325) 4(-2.125,-0.975) 5(2.125,-0.975) 6(2.125,-0.325) 7(2.125,0.325) 8(2.125,0.975)
  silkscreen extent -3.17,-1.8 3.17,1.88, body extent -2.45,-1.5 2.45,1.5, height 0.85
AP6-00162 [mm] "QFN, 6-Leads, Body 2.00x2.00mm, Pitch 0.65mm, Thermal Pad 1.00x1.6mm, IPC Medium Density modified"
  rect 0.6x0.3 smd paste-0.025 mask+0.05: 1(-1.05,0.65) 2(-1.05,0) 3(-1.05,-0.65) 4(1.05,-0.65) 5(1.05,0) 6(1.05,0.65)
  rect 1x1.6 smd paste-0.05 mask+0.05: 7(0,0)
  silkscreen extent -1.92,-1.2 1.2,1.2, body extent -1.05,-1.05 1.05,1.05, height 0.8
AP6-00186 [mm] "8M2, 8-lead 2.0x3.0 mm Body, 0.50 mm Pitch,  WDFN, Very Very Thin, Dual No Lead Package"
  round 0.264 on Top Paste: 0(-0.425,-0.4) 0(-0.425,0.4) 0(0,0) 0(0.425,-0.4) 0(0.425,0.4)
  rect 0.85x0.3 smd: 1(-1.475,0.75) 2(-1.475,0.25) 3(-1.475,-0.25) 4(-1.475,-0.75) 5(1.475,-0.75) 6(1.475,-0.25) 7(1.475,0.25) 8(1.475,0.75)
  rect 1.3x1.4 smd paste-0.7: 9(0,0)
  silkscreen extent -2.26,-1.3 2.2,1.33, body extent -1.53,-1 1.53,1, height 0.76
AP6-00206 [mm] "100 ball (10x10 array) VFBGA. Pitch 0.65 mm. Width: 7 mm. Length: 7mm. Height: 1 mm"
  round 0.28 smd: A1(-2.925,2.925) A2(-2.275,2.925) A3(-1.625,2.925) A4(-0.975,2.925) A5(-0.325,2.925) A6(0.325,2.925) A7(0.975,2.925) A8(1.625,2.925) A9(2.275,2.925) A10(2.925,2.925) B1(-2.925,2.275) B2(-2.275,2.275) B3(-1.625,2.275) B4(-0.975,2.275) B5(-0.325,2.275) B6(0.325,2.275) B7(0.975,2.275) B8(1.625,2.275) B9(2.275,2.275) B10(2.925,2.275) C1(-2.925,1.625) C2(-2.275,1.625) C3(-1.625,1.625) C4(-0.975,1.625) C5(-0.325,1.625) C6(0.325,1.625) C7(0.975,1.625) C8(1.625,1.625) C9(2.275,1.625) C10(2.925,1.625) D1(-2.925,0.975) D2(-2.275,0.975) D3(-1.625,0.975) D4(-0.975,0.975) D5(-0.325,0.975) D6(0.325,0.975) D7(0.975,0.975) D8(1.625,0.975) D9(2.275,0.975) D10(2.925,0.975) E1(-2.925,0.325) E2(-2.275,0.325) E3(-1.625,0.325) E4(-0.975,0.325) E5(-0.325,0.325) E6(0.325,0.325) E7(0.975,0.325) E8(1.625,0.325) E9(2.275,0.325) E10(2.925,0.325) F1(-2.925,-0.325) F2(-2.275,-0.325) F3(-1.625,-0.325) F4(-0.975,-0.325) F5(-0.325,-0.325) F6(0.325,-0.325) F7(0.975,-0.325) F8(1.625,-0.325) F9(2.275,-0.325) F10(2.925,-0.325) G1(-2.925,-0.975) G2(-2.275,-0.975) G3(-1.625,-0.975) G4(-0.975,-0.975) G5(-0.325,-0.975) G6(0.325,-0.975) G7(0.975,-0.975) G8(1.625,-0.975) G9(2.275,-0.975) G10(2.925,-0.975) H1(-2.925,-1.625) H2(-2.275,-1.625) H3(-1.625,-1.625) H4(-0.975,-1.625) H5(-0.325,-1.625) H6(0.325,-1.625) H7(0.975,-1.625) H8(1.625,-1.625) H9(2.275,-1.625) H10(2.925,-1.625) J1(-2.925,-2.275) J2(-2.275,-2.275) J3(-1.625,-2.275) J4(-0.975,-2.275) J5(-0.325,-2.275) J6(0.325,-2.275) J7(0.975,-2.275) J8(1.625,-2.275) J9(2.275,-2.275) J10(2.925,-2.275) K1(-2.925,-2.925) K2(-2.275,-2.925) K3(-1.625,-2.925) K4(-0.975,-2.925) K5(-0.325,-2.925) K6(0.325,-2.925) K7(0.975,-2.925) K8(1.625,-2.925) K9(2.275,-2.925) K10(2.925,-2.925)
  silkscreen extent -4.15,-4.15 4.15,4.15, body extent -3.5,-3.5 3.5,3.5, height 1.01
AP6-00262 [mm] "SON-6 footprint"
  rect 0.95x0.3 smd paste-0.025 mask+0.05: 1(-0.575,0.5)
  rect 0.85x0.3 smd paste-0.025 mask+0.05: 2(-0.625,0) 3(-0.625,-0.5) 4(0.625,-0.5) 5(0.625,0) 6(0.625,0.5)
  silkscreen extent -1.25,-0.9 0.9,0.95, body extent -0.8,-0.8 0.8,0.8, height 0.8
AP6-00348 [mm]
  rect 0.48x0.23 smd: 1(-1.86,1.25) 2(-1.86,0.75) 3(-1.86,0.25) 4(-1.86,-0.25) 5(-1.86,-0.75) 6(-1.86,-1.25) 13(1.86,-1.25) 14(1.86,-0.75) 15(1.86,-0.25) 16(1.86,0.25) 17(1.86,0.75) 18(1.86,1.25)
  rect 0.23x0.48 smd: 7(-1.25,-1.86) 8(-0.75,-1.86) 9(-0.25,-1.86) 10(0.25,-1.86) 11(0.75,-1.86) 12(1.25,-1.86) 19(1.25,1.86) 20(0.75,1.86) 21(0.25,1.86) 22(-0.25,1.86) 23(-0.75,1.86) 24(-1.25,1.86)
  rect 2.6x2.6 smd paste-1.3: 25(0,0)
  silkscreen extent -2.5,-2.5 2.5,2.5, body extent -2,-2 2,2, height 1
AP6-00407 [mm] "DFN8 package"
  rect 0.675x0.35 smd mask+0.075: 1(-1.412,0.975) 2(-1.412,0.325) 3(-1.412,-0.325) 4(-1.412,-0.975) 5(1.412,-0.975) 6(1.412,-0.325) 7(1.412,0.325) 8(1.412,0.975)
  rect 1.7x2.5 smd paste-3: 9(0,0)
  silkscreen extent -2.08,-1.75 1.95,1.87, body extent -1.55,-1.55 1.55,1.55, height 1
AP6-00409 [mm]
  rect 0.7x0.3 smd mask+0.075: 1(-1.45,0.75) 2(-1.45,0.25) 3(-1.45,-0.25) 4(-1.45,-0.75) 5(1.45,-0.75) 6(1.45,-0.25) 7(1.45,0.25) 8(1.45,0.75)
  rect 1.4x1.6 smd paste-0.025 mask+0.075: 9(0,0)
  silkscreen extent -2,-1.1 2,1.45, body extent -1.55,-1.05 1.55,1.05, height 0.6
AP6-00477 [mm] "TQFP, 128-Leads, Body 14,00x14,00mm, Pitch 0,40mm, IPC Medium Density"
  oval 1.4x0.25 smd mask+0.075: 1(-7.7,6.2) 2(-7.7,5.8) 3(-7.7,5.4) 4(-7.7,5) 5(-7.7,4.6) 6(-7.7,4.2) 7(-7.7,3.8) 8(-7.7,3.4) 9(-7.7,3) 10(-7.7,2.6) 11(-7.7,2.2) 12(-7.7,1.8) 13(-7.7,1.4) 14(-7.7,1) 15(-7.7,0.6) 16(-7.7,0.2) 17(-7.7,-0.2) 18(-7.7,-0.6) 19(-7.7,-1) 20(-7.7,-1.4) 21(-7.7,-1.8) 22(-7.7,-2.2) 23(-7.7,-2.6) 24(-7.7,-3) 25(-7.7,-3.4) 26(-7.7,-3.8) 27(-7.7,-4.2) 28(-7.7,-4.6) 29(-7.7,-5) 30(-7.7,-5.4) 31(-7.7,-5.8) 32(-7.7,-6.2) 65(7.7,-6.2) 66(7.7,-5.8) 67(7.7,-5.4) 68(7.7,-5) 69(7.7,-4.6) 70(7.7,-4.2) 71(7.7,-3.8) 72(7.7,-3.4) 73(7.7,-3) 74(7.7,-2.6) 75(7.7,-2.2) 76(7.7,-1.8) 77(7.7,-1.4) 78(7.7,-1) 79(7.7,-0.6) 80(7.7,-0.2) 81(7.7,0.2) 82(7.7,0.6) 83(7.7,1) 84(7.7,1.4) 85(7.7,1.8) 86(7.7,2.2) 87(7.7,2.6) 88(7.7,3) 89(7.7,3.4) 90(7.7,3.8) 91(7.7,4.2) 92(7.7,4.6) 93(7.7,5) 94(7.7,5.4) 95(7.7,5.8) 96(7.7,6.2)
  oval 0.25x1.4 smd mask+0.075: 33(-6.2,-7.7) 34(-5.8,-7.7) 35(-5.4,-7.7) 36(-5,-7.7) 37(-4.6,-7.7) 38(-4.2,-7.7) 39(-3.8,-7.7) 40(-3.4,-7.7) 41(-3,-7.7) 42(-2.6,-7.7) 43(-2.2,-7.7) 44(-1.8,-7.7) 45(-1.4,-7.7) 46(-1,-7.7) 47(-0.6,-7.7) 48(-0.2,-7.7) 49(0.2,-7.7) 50(0.6,-7.7) 51(1,-7.7) 52(1.4,-7.7) 53(1.8,-7.7) 54(2.2,-7.7) 55(2.6,-7.7) 56(3,-7.7) 57(3.4,-7.7) 58(3.8,-7.7) 59(4.2,-7.7) 60(4.6,-7.7) 61(5,-7.7) 62(5.4,-7.7) 63(5.8,-7.7) 64(6.2,-7.7) 97(6.2,7.7) 98(5.8,7.7) 99(5.4,7.7) 100(5,7.7) 101(4.6,7.7) 102(4.2,7.7) 103(3.8,7.7) 104(3.4,7.7) 105(3,7.7) 106(2.6,7.7) 107(2.2,7.7) 108(1.8,7.7) 109(1.4,7.7) 110(1,7.7) 111(0.6,7.7) 112(0.2,7.7) 113(-0.2,7.7) 114(-0.6,7.7) 115(-1,7.7) 116(-1.4,7.7) 117(-1.8,7.7) 118(-2.2,7.7) 119(-2.6,7.7) 120(-3,7.7) 121(-3.4,7.7) 122(-3.8,7.7) 123(-4.2,7.7) 124(-4.6,7.7) 125(-5,7.7) 126(-5.4,7.7) 127(-5.8,7.7) 128(-6.2,7.7)
  silkscreen extent -7.83,-6.6 6.6,7.02, body extent -8,-8 8,8, height 1.2
AP6-00478 [mm] "V-PDFN-8, 8mm x 6mm,"
  rect 5.15x4.8 smd paste-5: 0(0,0)
  oval 0.9x0.45 smd: 1(-3.85,1.905) 2(-3.85,0.635) 3(-3.85,-0.635) 4(-3.85,-1.905) 5(3.85,-1.905) 6(3.85,-0.635) 7(3.85,0.635) 8(3.85,1.905)
  round 1.5 on Top Paste: 9(0,-0.025) 10(-1.5,1.4) 11(1.5,1.4) 12(-1.5,-1.4) 12(1.5,-1.4)
  silkscreen extent -4.93,-3.15 4.15,3.15, body extent -4,-3 4,3, height 1.07
AP7-00061 [mm] "TSX-3225"
  rect 1.4x1.15 smd: 1(-1.1,-0.8) 2(1.1,-0.8) 3(1.1,0.8) 4(-1.1,0.8)
  silkscreen extent -2.43,-1.52 1.95,1.52, body extent -1.6,-1.24 1.6,1.24, height 0.8
AP7-00089 [mm] "SMD crystal. 2.5mm X 3.2 mm x 0.8mm"
  rect 1.3x1.05 smd: 1(-1.15,-0.925) 3(1.15,0.925) 4(-1.15,0.925)
  rect 1.3x1.05 smd paste+0: 2(1.15,-0.925)
  silkscreen extent -2.02,-1.68 2.02,1.68, body extent -1.6,-1.25 1.7,1.25, height 0.85
AP7-00090 [mm] "Fork crystal, 3.2mm x 1.5mm x 0.8mm"
  rect 1x1.55 smd: 1(-1.3,0)
  rect 1x1.55 smd paste+0: 2(1.3,0)
  silkscreen extent -2.02,-1 2.02,1, body extent -1.6,-0.75 1.6,0.75, height 0.79
AP8-00010 [mm] "Testpad 50mil"
  round 1.27 smd paste-0.635: 1(0,0)
AP8-00137 [mm]
  rect 2.25x1 smd: 1(-2.75,2) 2(2.75,2) 3(-2.75,-2) 4(2.75,-2)
  silkscreen extent -4.25,-3.25 4.25,3.25, body extent -3.4,-3.21 3.4,3.22, height 3.47
AP8-00176 [mm]
  rect 1.7x1.7 / inner round 1.7 / far side round 1.7 hole 1: 1(-3.81,0) 2(-1.27,0) 3(1.27,0) 4(3.81,0)
  silkscreen extent -5.08,-1.27 5.08,1.27, body extent -5.08,-1.24 5.08,1.24, height 8.56
AP8-00192 [mm]
  silkscreen extent -4,-4 3.83,4, body extent -4,-4 4,4, height 2.79
AP8-00257 [mm]
  round 1.05 hole 0.65: 1(-2.54,-0.635) 2(-2.54,0.635) 3(-1.27,-0.635) 4(-1.27,0.635) 5(0,-0.635) 6(0,0.635) 7(1.27,-0.635) 8(1.27,0.635) 9(2.54,-0.635) 10(2.54,0.635)
  silkscreen extent -3.5,-2 3.5,2, body extent -3.15,-1.64 3.2,1.79, height 3.88
AP8-00317 [mm] "Placement area for 18x6mm sticker"
  silkscreen extent 0,0 18,6
AP8-00367 [mm] "1x2 pin header, right angle, 2.54 mm pitch, through-hole"
  rect 1.7x1.7 / inner round 1.7 / far side round 1.7 hole 1: 1(-1.27,0) 2(1.27,0)
  silkscreen extent -2.65,-1.38 2.66,10.6, body extent -2.54,-0.33 2.54,9.99, height 2.55
AP8-00377 [mm]
  round 1.5 hole 1.5 unplated: 0(-12.575,14) 0(12.025,14)
  rect 0.8x2 smd paste+0 mask+0.2: 1(6.305,-10.5) 2(3.805,-10.5) 3(1.305,-10.5) 4(-1.195,-10.5) 5(-3.695,-10.5) 6(-6.195,-10.5) 7(-8.625,-10.5) 8(-10.325,-10.5) 9(8.805,-10.5) 10(-12.325,-10.5)
  rect 2x1.1 smd paste+0 mask+0.2: 11(-14.575,0.45) 12(-14.575,10.5)
  rect 3x3 smd paste+0 mask+0.2: 13(-15.075,-6.5) 14(-15.075,6.5) 15(15.075,6.5) 16(15.075,-6.5)
  silkscreen extent -14.1,-11.91 14.01,18.5, body extent -16.33,-11.23 16.07,18.52, height 2.72
AP8-00525 [mm] "Jumper 2.54mm, 3D"
  body extent -2.49,-1.22 2.49,1.22, height 9.07
AP8-00622 [mm] "2x10 Right angle 2.54mm THM"
  rect 1.7x1.7 / inner round 1.7 / far side rect 1.7x1.7 hole 1: 1(-11.43,-1.27)
  rect 2.1x2.1 on Top Paste: 1(-11.43,-1.27) 2(-11.43,1.27) 3(-8.89,-1.27) 4(-8.89,1.27) 5(-6.35,-1.27) 6(-6.35,1.27) 7(-3.81,-1.27) 8(-3.81,1.27) 9(-1.27,-1.27) 10(-1.27,1.27) 11(1.27,-1.27) 12(1.27,1.27) 13(3.81,-1.27) 14(3.81,1.27) 15(6.35,-1.27) 16(6.35,1.27) 17(8.89,-1.27) 18(8.89,1.27) 19(11.43,-1.27) 20(11.43,1.27)
  round 1.7 hole 1: 2(-11.43,1.27) 3(-8.89,-1.27) 4(-8.89,1.27) 5(-6.35,-1.27) 6(-6.35,1.27) 7(-3.81,-1.27) 8(-3.81,1.27) 9(-1.27,-1.27) 10(-1.27,1.27) 11(1.27,-1.27) 12(1.27,1.27) 13(3.81,-1.27) 14(3.81,1.27) 15(6.35,-1.27) 16(6.35,1.27) 17(8.89,-1.27) 18(8.89,1.27) 19(11.43,-1.27) 20(11.43,1.27)
  silkscreen extent -12.85,2.77 12.85,5.31, body extent -12.7,-1.59 12.7,11.29, height 5
AP8-00628 [mm] "2x2 Right angle 2.54mm THM"
  rect 1.7x1.7 / inner round 1.7 / far side rect 1.7x1.7 hole 1: 1(-1.27,-1.27)
  rect 2.1x2.1 on Top Paste: 1(-1.27,-1.27) 2(-1.27,1.27) 3(1.27,-1.27) 4(1.27,1.27)
  round 1.7 hole 1: 2(-1.27,1.27) 3(1.27,-1.27) 4(1.27,1.27)
  silkscreen extent -2.69,2.77 2.67,5.31, body extent -2.54,-1.52 2.54,11.36, height 5
AP8-00733 [mm] "Pin header 1x2 Pin in Paste"
  rect 1.7x1.7 / inner round 1.7 / far side rect 1.7x1.7 hole 1: 1(-1.27,0)
  round 1.7 hole 1: 2(1.27,0)
  silkscreen extent -2.54,-1.48 2.54,1.48, body extent -2.54,-1.27 2.54,1.27, height 8.38
AP8-00744 [mm] "Pin header, 2x10, 2.54mm, THM, 1mm hole"
  rect 1.7x1.7 / inner round 1.7 / far side rect 1.7x1.7 hole 1: 1(-11.43,-1.27)
  round 1.7 hole 1: 2(-11.43,1.27) 3(-8.89,-1.27) 4(-8.89,1.27) 5(-6.35,-1.27) 6(-6.35,1.27) 7(-3.81,-1.27) 8(-3.81,1.27) 9(-1.27,-1.27) 10(-1.27,1.27) 11(1.27,-1.27) 12(1.27,1.27) 13(3.81,-1.27) 14(3.81,1.27) 15(6.35,-1.27) 16(6.35,1.27) 17(8.89,-1.27) 18(8.89,1.27) 19(11.43,-1.27) 20(11.43,1.27)
  silkscreen extent -12.7,-2.52 12.7,2.55, body extent -12.7,-2.54 12.7,2.54, height 8.4
AP8-00745 [mm] "THM Pin-header 1x3 100mil pitch, 1mm hole"
  rect 1.7x1.7 / inner round 1.7 / far side rect 1.7x1.7 hole 1: 1(-2.54,0)
  rect 2.1x2.1 on Top Paste: 1(-2.54,0) 2(0,0) 3(2.54,0)
  round 1.7 hole 1: 2(0,0) 3(2.54,0)
  silkscreen extent -3.81,-1.48 3.81,1.48, body extent -3.81,-1.27 3.81,1.27, height 8.38